# KiCad board rabbit_mask.kicad_pcb
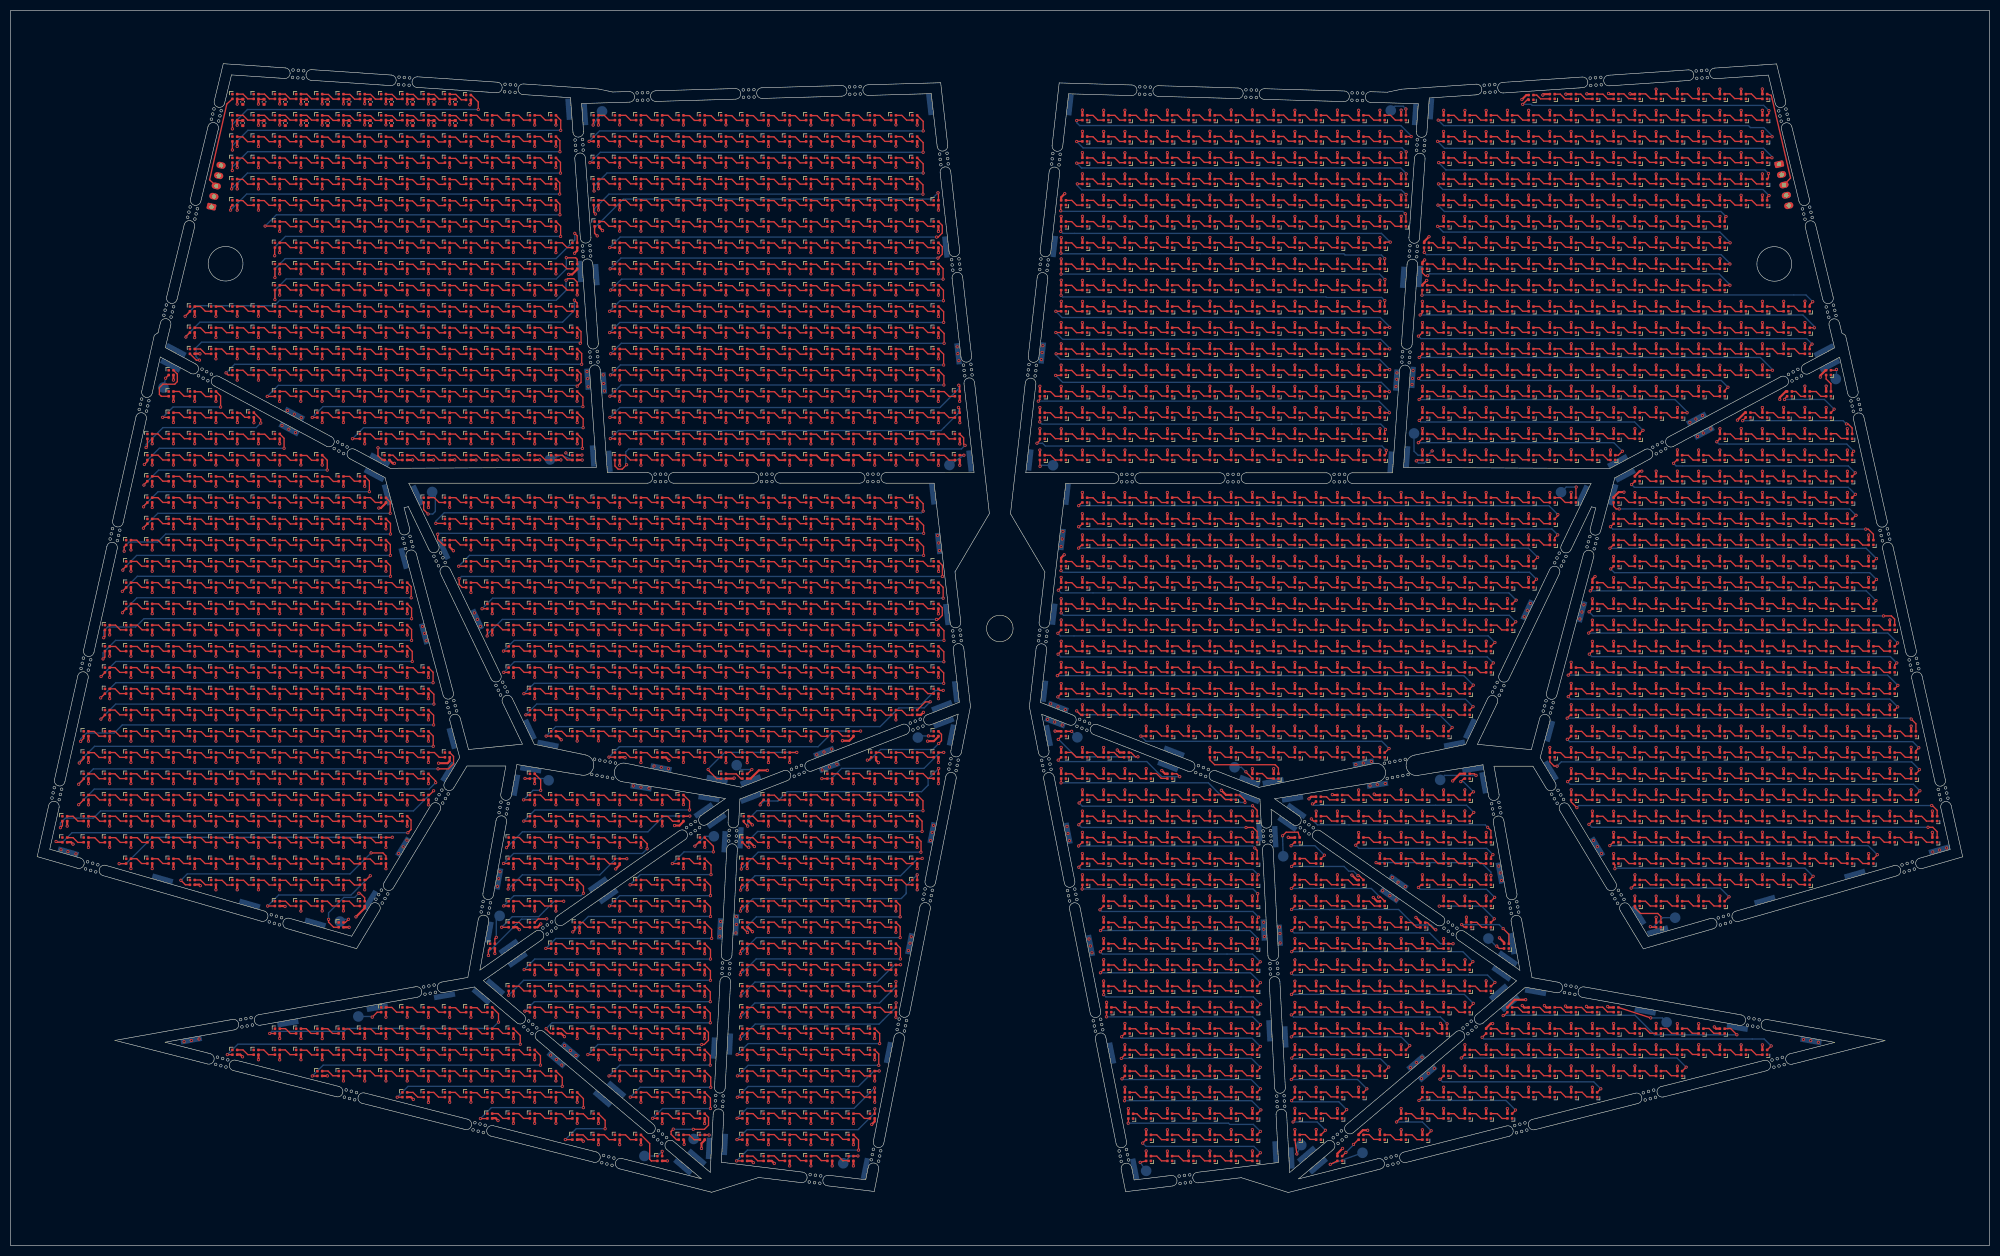
[diagram p0: board, top side]
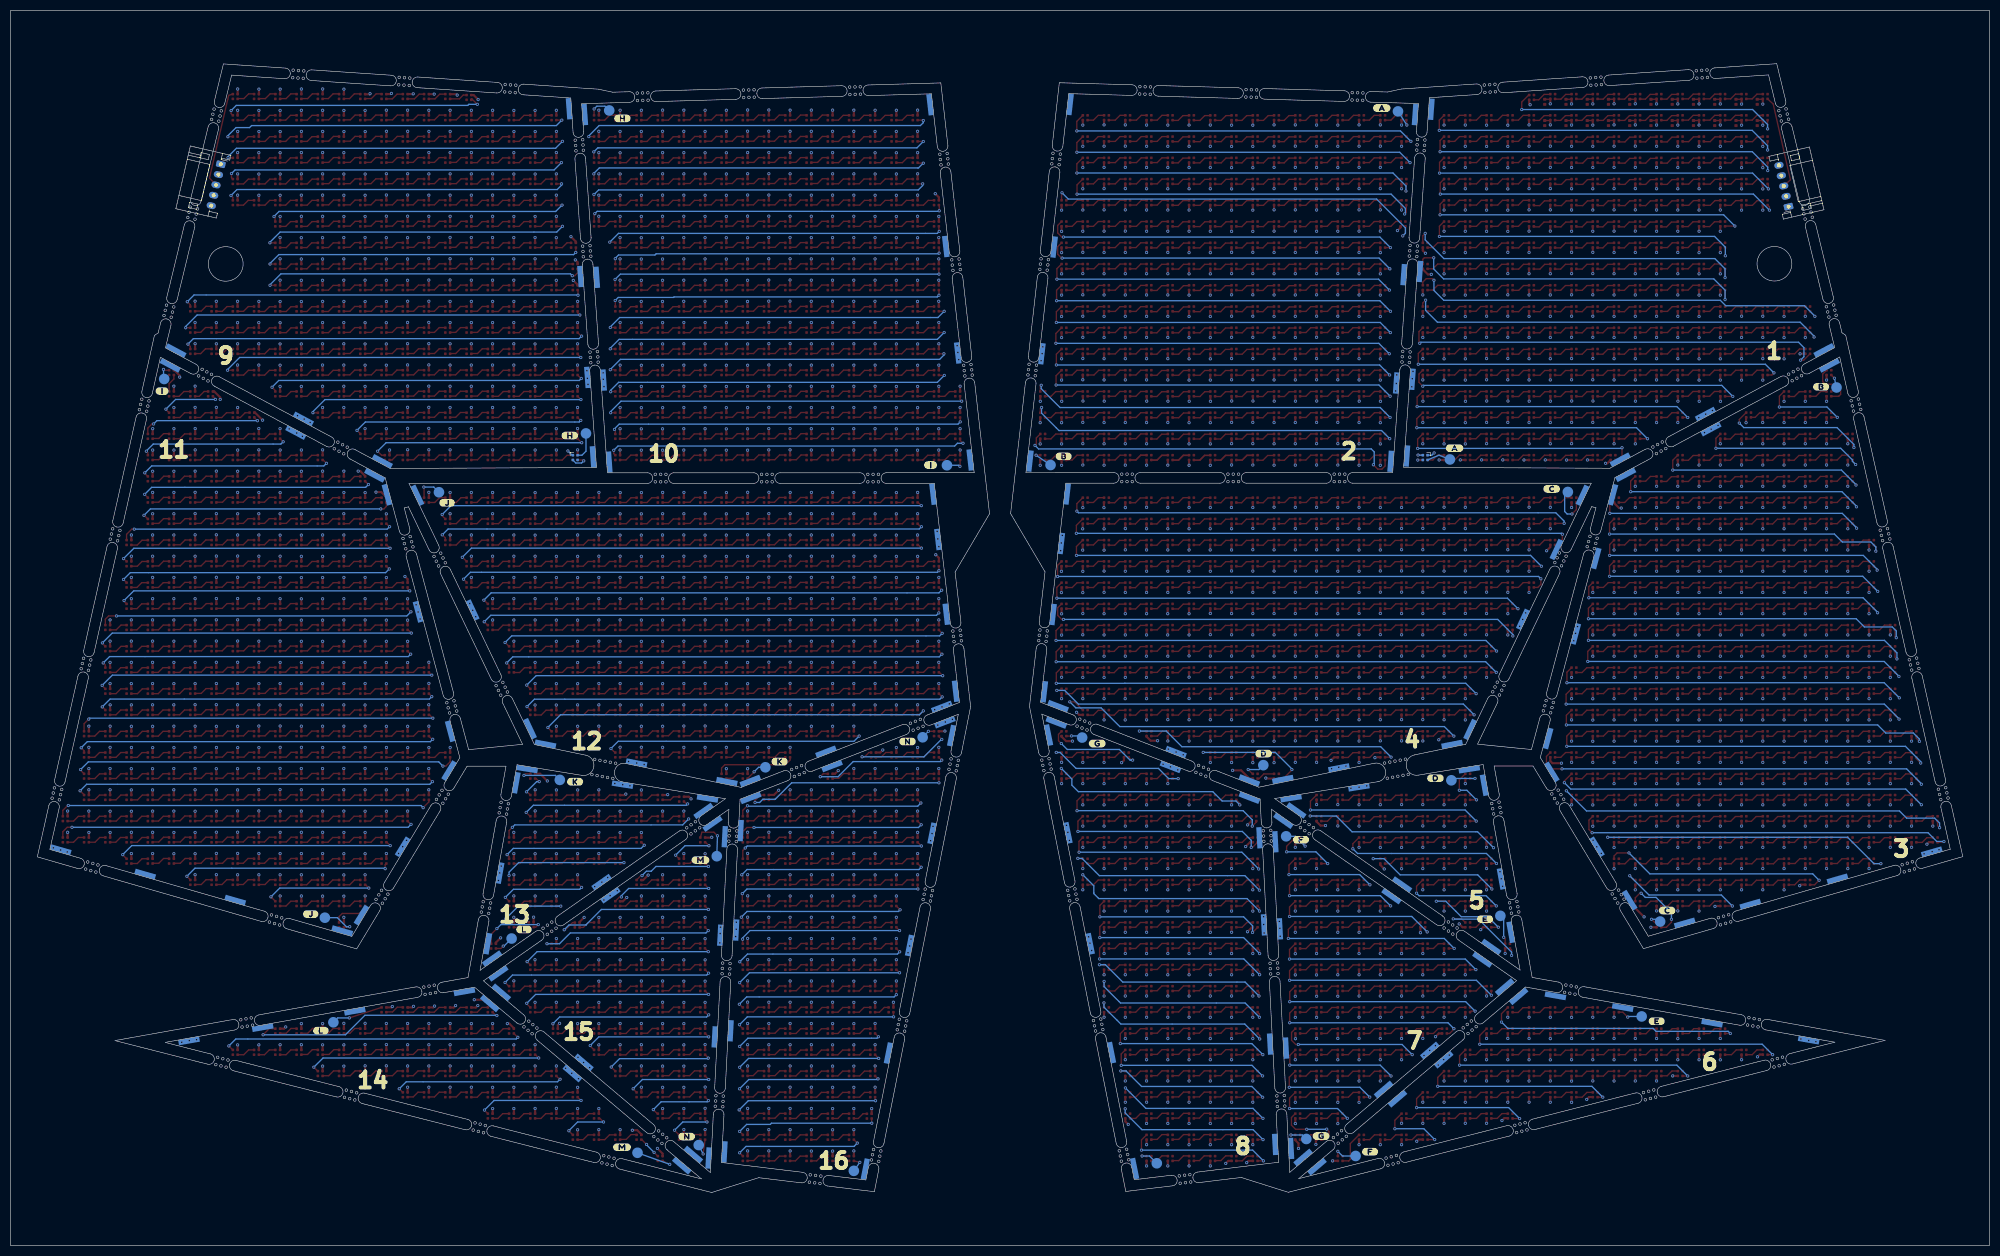
[diagram p1: board, bottom side, seen from below]

Outline 372.48 x 232.54 mm; copper layers: Top, Bottom. Coordinates in mm from the lower left corner of the outline.
Stack: Top 0.035mm / dielectric 1.51mm FR4 er 4.5 / Bottom 0.035mm

## Placement (name value [footprint] x y rotation side)
C1485  0.1uF  [C_0402_1005Metric]  83.7 211.36 270 top
C1485#2  0.1uF  [C_0402_1005Metric]  71.7 211.36 270 top
C1485#3  0.1uF  [C_0402_1005Metric]  59.7 215.36 270 top
C1485#4  0.1uF  [C_0402_1005Metric]  43.7 211.36 270 top
C1485#5  0.1uF  [C_0402_1005Metric]  47.7 211.36 270 top
C1485#6  0.1uF  [C_0402_1005Metric]  79.7 211.36 270 top
C1485#7  0.1uF  [C_0402_1005Metric]  51.7 215.36 270 top
C1485#8  0.1uF  [C_0402_1005Metric]  71.7 215.36 270 top
C1485#9  0.1uF  [C_0402_1005Metric]  67.7 211.36 270 top
C1485#10  0.1uF  [C_0402_1005Metric]  43.7 215.36 270 top
C1485#11  0.1uF  [C_0402_1005Metric]  67.7 215.36 270 top
C1485#12  0.1uF  [C_0402_1005Metric]  75.7 211.36 270 top
C1485#13  0.1uF  [C_0402_1005Metric]  59.7 211.36 270 top
C1485#14  0.1uF  [C_0402_1005Metric]  55.7 211.36 270 top
C1485#15  0.1uF  [C_0402_1005Metric]  63.7 211.36 270 top
C1485#16  0.1uF  [C_0402_1005Metric]  55.7 215.36 270 top
C1485#17  0.1uF  [C_0402_1005Metric]  47.7 215.36 270 top
C1485#18  0.1uF  [C_0402_1005Metric]  83.7 215.36 270 top
C1485#19  0.1uF  [C_0402_1005Metric]  63.7 215.36 270 top
C1485#20  0.1uF  [C_0402_1005Metric]  51.7 211.36 270 top
C1485#21  0.1uF  [C_0402_1005Metric]  79.7 215.36 270 top
C1485#22  0.1uF  [C_0402_1005Metric]  75.7 215.36 270 top
D1  SK6812-1515  [LED_SK6812_EC15_1.5x1.5mm]  42.2 216.36 0 top
D2  SK6812-1515  [LED_SK6812_EC15_1.5x1.5mm]  46.2 216.36 0 top
D3  SK6812-1515  [LED_SK6812_EC15_1.5x1.5mm]  50.2 216.36 0 top
D4  SK6812-1515  [LED_SK6812_EC15_1.5x1.5mm]  54.2 216.36 0 top
D5  SK6812-1515  [LED_SK6812_EC15_1.5x1.5mm]  58.2 216.36 0 top
D6  SK6812-1515  [LED_SK6812_EC15_1.5x1.5mm]  62.2 216.36 0 top
D7  SK6812-1515  [LED_SK6812_EC15_1.5x1.5mm]  66.2 216.36 0 top
D8  SK6812-1515  [LED_SK6812_EC15_1.5x1.5mm]  70.2 216.36 0 top
D9  SK6812-1515  [LED_SK6812_EC15_1.5x1.5mm]  74.2 216.36 0 top
D10  SK6812-1515  [LED_SK6812_EC15_1.5x1.5mm]  78.2 216.36 0 top
D11  SK6812-1515  [LED_SK6812_EC15_1.5x1.5mm]  82.2 216.36 0 top
D12  SK6812-1515  [LED_SK6812_EC15_1.5x1.5mm]  86.17 216.19 0 top
D13  SK6812-1515  [LED_SK6812_EC15_1.5x1.5mm]  42.2 212.36 0 top
D14  SK6812-1515  [LED_SK6812_EC15_1.5x1.5mm]  46.2 212.36 0 top
D15  SK6812-1515  [LED_SK6812_EC15_1.5x1.5mm]  50.2 212.36 0 top
D16  SK6812-1515  [LED_SK6812_EC15_1.5x1.5mm]  54.2 212.36 0 top
D17  SK6812-1515  [LED_SK6812_EC15_1.5x1.5mm]  58.2 212.36 0 top
D18  SK6812-1515  [LED_SK6812_EC15_1.5x1.5mm]  62.2 212.36 0 top
D19  SK6812-1515  [LED_SK6812_EC15_1.5x1.5mm]  66.2 212.36 0 top
D20  SK6812-1515  [LED_SK6812_EC15_1.5x1.5mm]  70.2 212.36 0 top
D21  SK6812-1515  [LED_SK6812_EC15_1.5x1.5mm]  74.2 212.36 0 top
D22  SK6812-1515  [LED_SK6812_EC15_1.5x1.5mm]  78.2 212.36 0 top
D23  SK6812-1515  [LED_SK6812_EC15_1.5x1.5mm]  82.2 212.36 0 top
D24  SK6812-1515  [LED_SK6812_EC15_1.5x1.5mm]  86.2 212.36 0 top
D25  SK6812-1515  [LED_SK6812_EC15_1.5x1.5mm]  90.2 212.36 0 top
D26  SK6812-1515  [LED_SK6812_EC15_1.5x1.5mm]  94.2 212.36 0 top
D27  SK6812-1515  [LED_SK6812_EC15_1.5x1.5mm]  98.2 212.36 0 top
D28  SK6812-1515  [LED_SK6812_EC15_1.5x1.5mm]  102.2 212.36 0 top
D29  SK6812-1515  [LED_SK6812_EC15_1.5x1.5mm]  110.2 212.36 0 top
D30  SK6812-1515  [LED_SK6812_EC15_1.5x1.5mm]  114.2 212.36 0 top
D31  SK6812-1515  [LED_SK6812_EC15_1.5x1.5mm]  118.2 212.36 0 top
D32  SK6812-1515  [LED_SK6812_EC15_1.5x1.5mm]  122.2 212.36 0 top
D33  SK6812-1515  [LED_SK6812_EC15_1.5x1.5mm]  126.2 212.36 0 top
D34  SK6812-1515  [LED_SK6812_EC15_1.5x1.5mm]  130.2 212.36 0 top
D35  SK6812-1515  [LED_SK6812_EC15_1.5x1.5mm]  134.2 212.36 0 top
D36  SK6812-1515  [LED_SK6812_EC15_1.5x1.5mm]  138.2 212.36 0 top
D37  SK6812-1515  [LED_SK6812_EC15_1.5x1.5mm]  142.2 212.36 0 top
D38  SK6812-1515  [LED_SK6812_EC15_1.5x1.5mm]  146.2 212.36 0 top
D39  SK6812-1515  [LED_SK6812_EC15_1.5x1.5mm]  150.2 212.36 0 top
D40  SK6812-1515  [LED_SK6812_EC15_1.5x1.5mm]  154.2 212.36 0 top
D41  SK6812-1515  [LED_SK6812_EC15_1.5x1.5mm]  158.2 212.36 0 top
D42  SK6812-1515  [LED_SK6812_EC15_1.5x1.5mm]  162.2 212.36 0 top
D43  SK6812-1515  [LED_SK6812_EC15_1.5x1.5mm]  166.2 212.36 0 top
D44  SK6812-1515  [LED_SK6812_EC15_1.5x1.5mm]  170.2 212.36 0 top
D45  SK6812-1515  [LED_SK6812_EC15_1.5x1.5mm]  42.2 208.36 0 top
D46  SK6812-1515  [LED_SK6812_EC15_1.5x1.5mm]  46.2 208.36 0 top
D47  SK6812-1515  [LED_SK6812_EC15_1.5x1.5mm]  50.2 208.36 0 top
D48  SK6812-1515  [LED_SK6812_EC15_1.5x1.5mm]  54.2 208.36 0 top
D49  SK6812-1515  [LED_SK6812_EC15_1.5x1.5mm]  58.2 208.36 0 top
D50  SK6812-1515  [LED_SK6812_EC15_1.5x1.5mm]  62.2 208.36 0 top
D51  SK6812-1515  [LED_SK6812_EC15_1.5x1.5mm]  66.2 208.36 0 top
D52  SK6812-1515  [LED_SK6812_EC15_1.5x1.5mm]  70.2 208.36 0 top
D53  SK6812-1515  [LED_SK6812_EC15_1.5x1.5mm]  74.2 208.36 0 top
D54  SK6812-1515  [LED_SK6812_EC15_1.5x1.5mm]  78.2 208.36 0 top
D55  SK6812-1515  [LED_SK6812_EC15_1.5x1.5mm]  82.2 208.36 0 top
D56  SK6812-1515  [LED_SK6812_EC15_1.5x1.5mm]  86.2 208.36 0 top
D57  SK6812-1515  [LED_SK6812_EC15_1.5x1.5mm]  90.2 208.36 0 top
D58  SK6812-1515  [LED_SK6812_EC15_1.5x1.5mm]  94.2 208.36 0 top
D59  SK6812-1515  [LED_SK6812_EC15_1.5x1.5mm]  98.2 208.36 0 top
D60  SK6812-1515  [LED_SK6812_EC15_1.5x1.5mm]  102.2 208.36 0 top
D61  SK6812-1515  [LED_SK6812_EC15_1.5x1.5mm]  110.2 208.36 0 top
D62  SK6812-1515  [LED_SK6812_EC15_1.5x1.5mm]  114.2 208.36 0 top
D63  SK6812-1515  [LED_SK6812_EC15_1.5x1.5mm]  118.2 208.36 0 top
D64  SK6812-1515  [LED_SK6812_EC15_1.5x1.5mm]  122.2 208.36 0 top
D65  SK6812-1515  [LED_SK6812_EC15_1.5x1.5mm]  126.2 208.36 0 top
D66  SK6812-1515  [LED_SK6812_EC15_1.5x1.5mm]  130.2 208.36 0 top
D67  SK6812-1515  [LED_SK6812_EC15_1.5x1.5mm]  134.2 208.36 0 top
D68  SK6812-1515  [LED_SK6812_EC15_1.5x1.5mm]  138.2 208.36 0 top
D69  SK6812-1515  [LED_SK6812_EC15_1.5x1.5mm]  142.2 208.36 0 top
D70  SK6812-1515  [LED_SK6812_EC15_1.5x1.5mm]  146.2 208.36 0 top
D71  SK6812-1515  [LED_SK6812_EC15_1.5x1.5mm]  150.2 208.36 0 top
D72  SK6812-1515  [LED_SK6812_EC15_1.5x1.5mm]  154.2 208.36 0 top
D73  SK6812-1515  [LED_SK6812_EC15_1.5x1.5mm]  158.2 208.36 0 top
D74  SK6812-1515  [LED_SK6812_EC15_1.5x1.5mm]  162.2 208.36 0 top
D75  SK6812-1515  [LED_SK6812_EC15_1.5x1.5mm]  166.2 208.36 0 top
D76  SK6812-1515  [LED_SK6812_EC15_1.5x1.5mm]  170.2 208.36 0 top
D77  SK6812-1515  [LED_SK6812_EC15_1.5x1.5mm]  42.2 204.36 0 top
D78  SK6812-1515  [LED_SK6812_EC15_1.5x1.5mm]  46.2 204.36 0 top
D79  SK6812-1515  [LED_SK6812_EC15_1.5x1.5mm]  50.2 204.36 0 top
D80  SK6812-1515  [LED_SK6812_EC15_1.5x1.5mm]  54.2 204.36 0 top
D81  SK6812-1515  [LED_SK6812_EC15_1.5x1.5mm]  58.2 204.36 0 top
D82  SK6812-1515  [LED_SK6812_EC15_1.5x1.5mm]  62.2 204.36 0 top
D83  SK6812-1515  [LED_SK6812_EC15_1.5x1.5mm]  66.2 204.36 0 top
D84  SK6812-1515  [LED_SK6812_EC15_1.5x1.5mm]  70.2 204.36 0 top
D85  SK6812-1515  [LED_SK6812_EC15_1.5x1.5mm]  74.2 204.36 0 top
D86  SK6812-1515  [LED_SK6812_EC15_1.5x1.5mm]  78.2 204.36 0 top
D87  SK6812-1515  [LED_SK6812_EC15_1.5x1.5mm]  82.2 204.36 0 top
D88  SK6812-1515  [LED_SK6812_EC15_1.5x1.5mm]  86.2 204.36 0 top
D89  SK6812-1515  [LED_SK6812_EC15_1.5x1.5mm]  90.2 204.36 0 top
D90  SK6812-1515  [LED_SK6812_EC15_1.5x1.5mm]  94.2 204.36 0 top
D91  SK6812-1515  [LED_SK6812_EC15_1.5x1.5mm]  98.2 204.36 0 top
D92  SK6812-1515  [LED_SK6812_EC15_1.5x1.5mm]  102.2 204.36 0 top
D93  SK6812-1515  [LED_SK6812_EC15_1.5x1.5mm]  110.2 204.36 0 top
D94  SK6812-1515  [LED_SK6812_EC15_1.5x1.5mm]  114.2 204.36 0 top
D95  SK6812-1515  [LED_SK6812_EC15_1.5x1.5mm]  118.2 204.36 0 top
D96  SK6812-1515  [LED_SK6812_EC15_1.5x1.5mm]  122.2 204.36 0 top
D97  SK6812-1515  [LED_SK6812_EC15_1.5x1.5mm]  126.2 204.36 0 top
D98  SK6812-1515  [LED_SK6812_EC15_1.5x1.5mm]  130.2 204.36 0 top
D99  SK6812-1515  [LED_SK6812_EC15_1.5x1.5mm]  134.2 204.36 0 top
D100  SK6812-1515  [LED_SK6812_EC15_1.5x1.5mm]  138.2 204.36 0 top
D101  SK6812-1515  [LED_SK6812_EC15_1.5x1.5mm]  142.2 204.36 0 top
D102  SK6812-1515  [LED_SK6812_EC15_1.5x1.5mm]  146.2 204.36 0 top
D103  SK6812-1515  [LED_SK6812_EC15_1.5x1.5mm]  150.2 204.36 0 top
D104  SK6812-1515  [LED_SK6812_EC15_1.5x1.5mm]  154.2 204.36 0 top
D105  SK6812-1515  [LED_SK6812_EC15_1.5x1.5mm]  158.2 204.36 0 top
D106  SK6812-1515  [LED_SK6812_EC15_1.5x1.5mm]  162.2 204.36 0 top
D107  SK6812-1515  [LED_SK6812_EC15_1.5x1.5mm]  166.2 204.36 0 top
D108  SK6812-1515  [LED_SK6812_EC15_1.5x1.5mm]  170.2 204.36 0 top
D110  SK6812-1515  [LED_SK6812_EC15_1.5x1.5mm]  42.2 200.36 0 top
D111  SK6812-1515  [LED_SK6812_EC15_1.5x1.5mm]  46.2 200.36 0 top
D112  SK6812-1515  [LED_SK6812_EC15_1.5x1.5mm]  50.2 200.36 0 top
D113  SK6812-1515  [LED_SK6812_EC15_1.5x1.5mm]  54.2 200.36 0 top
D114  SK6812-1515  [LED_SK6812_EC15_1.5x1.5mm]  58.2 200.36 0 top
D115  SK6812-1515  [LED_SK6812_EC15_1.5x1.5mm]  62.2 200.36 0 top
D116  SK6812-1515  [LED_SK6812_EC15_1.5x1.5mm]  66.2 200.36 0 top
D117  SK6812-1515  [LED_SK6812_EC15_1.5x1.5mm]  70.2 200.36 0 top
D118  SK6812-1515  [LED_SK6812_EC15_1.5x1.5mm]  74.2 200.36 0 top
D119  SK6812-1515  [LED_SK6812_EC15_1.5x1.5mm]  78.2 200.36 0 top
D120  SK6812-1515  [LED_SK6812_EC15_1.5x1.5mm]  82.2 200.36 0 top
D121  SK6812-1515  [LED_SK6812_EC15_1.5x1.5mm]  86.2 200.36 0 top
D122  SK6812-1515  [LED_SK6812_EC15_1.5x1.5mm]  90.2 200.36 0 top
D123  SK6812-1515  [LED_SK6812_EC15_1.5x1.5mm]  94.2 200.36 0 top
D124  SK6812-1515  [LED_SK6812_EC15_1.5x1.5mm]  98.2 200.36 0 top
D125  SK6812-1515  [LED_SK6812_EC15_1.5x1.5mm]  102.2 200.36 0 top
D126  SK6812-1515  [LED_SK6812_EC15_1.5x1.5mm]  110.2 200.36 0 top
D127  SK6812-1515  [LED_SK6812_EC15_1.5x1.5mm]  114.2 200.36 0 top
D128  SK6812-1515  [LED_SK6812_EC15_1.5x1.5mm]  118.2 200.36 0 top
D129  SK6812-1515  [LED_SK6812_EC15_1.5x1.5mm]  122.2 200.36 0 top
D130  SK6812-1515  [LED_SK6812_EC15_1.5x1.5mm]  126.2 200.36 0 top
D131  SK6812-1515  [LED_SK6812_EC15_1.5x1.5mm]  130.2 200.36 0 top
D132  SK6812-1515  [LED_SK6812_EC15_1.5x1.5mm]  134.2 200.36 0 top
D133  SK6812-1515  [LED_SK6812_EC15_1.5x1.5mm]  138.2 200.36 0 top
D134  SK6812-1515  [LED_SK6812_EC15_1.5x1.5mm]  142.2 200.36 0 top
D135  SK6812-1515  [LED_SK6812_EC15_1.5x1.5mm]  146.2 200.36 0 top
D136  SK6812-1515  [LED_SK6812_EC15_1.5x1.5mm]  150.2 200.36 0 top
D137  SK6812-1515  [LED_SK6812_EC15_1.5x1.5mm]  154.2 200.36 0 top
D138  SK6812-1515  [LED_SK6812_EC15_1.5x1.5mm]  158.2 200.36 0 top
D139  SK6812-1515  [LED_SK6812_EC15_1.5x1.5mm]  162.2 200.36 0 top
D140  SK6812-1515  [LED_SK6812_EC15_1.5x1.5mm]  166.2 200.36 0 top
D141  SK6812-1515  [LED_SK6812_EC15_1.5x1.5mm]  170.2 200.36 0 top
D143  SK6812-1515  [LED_SK6812_EC15_1.5x1.5mm]  42.2 196.36 0 top
D144  SK6812-1515  [LED_SK6812_EC15_1.5x1.5mm]  46.2 196.36 0 top
D145  SK6812-1515  [LED_SK6812_EC15_1.5x1.5mm]  50.2 196.36 0 top
D146  SK6812-1515  [LED_SK6812_EC15_1.5x1.5mm]  54.2 196.36 0 top
D147  SK6812-1515  [LED_SK6812_EC15_1.5x1.5mm]  58.2 196.36 0 top
D148  SK6812-1515  [LED_SK6812_EC15_1.5x1.5mm]  62.2 196.36 0 top
D149  SK6812-1515  [LED_SK6812_EC15_1.5x1.5mm]  66.2 196.36 0 top
D150  SK6812-1515  [LED_SK6812_EC15_1.5x1.5mm]  70.2 196.36 0 top
D151  SK6812-1515  [LED_SK6812_EC15_1.5x1.5mm]  74.2 196.36 0 top
D152  SK6812-1515  [LED_SK6812_EC15_1.5x1.5mm]  78.2 196.36 0 top
D153  SK6812-1515  [LED_SK6812_EC15_1.5x1.5mm]  82.2 196.36 0 top
D154  SK6812-1515  [LED_SK6812_EC15_1.5x1.5mm]  86.2 196.36 0 top
D155  SK6812-1515  [LED_SK6812_EC15_1.5x1.5mm]  90.2 196.36 0 top
D156  SK6812-1515  [LED_SK6812_EC15_1.5x1.5mm]  94.2 196.36 0 top
D157  SK6812-1515  [LED_SK6812_EC15_1.5x1.5mm]  98.2 196.36 0 top
D158  SK6812-1515  [LED_SK6812_EC15_1.5x1.5mm]  102.2 196.36 0 top
D159  SK6812-1515  [LED_SK6812_EC15_1.5x1.5mm]  110.2 196.36 0 top
D160  SK6812-1515  [LED_SK6812_EC15_1.5x1.5mm]  114.2 196.36 0 top
D161  SK6812-1515  [LED_SK6812_EC15_1.5x1.5mm]  118.2 196.36 0 top
D162  SK6812-1515  [LED_SK6812_EC15_1.5x1.5mm]  122.2 196.36 0 top
D163  SK6812-1515  [LED_SK6812_EC15_1.5x1.5mm]  126.2 196.36 0 top
D164  SK6812-1515  [LED_SK6812_EC15_1.5x1.5mm]  130.2 196.36 0 top
D165  SK6812-1515  [LED_SK6812_EC15_1.5x1.5mm]  134.2 196.36 0 top
D166  SK6812-1515  [LED_SK6812_EC15_1.5x1.5mm]  138.2 196.36 0 top
D167  SK6812-1515  [LED_SK6812_EC15_1.5x1.5mm]  142.2 196.36 0 top
D168  SK6812-1515  [LED_SK6812_EC15_1.5x1.5mm]  146.2 196.36 0 top
D169  SK6812-1515  [LED_SK6812_EC15_1.5x1.5mm]  150.2 196.36 0 top
D170  SK6812-1515  [LED_SK6812_EC15_1.5x1.5mm]  154.2 196.36 0 top
D171  SK6812-1515  [LED_SK6812_EC15_1.5x1.5mm]  158.2 196.36 0 top
D172  SK6812-1515  [LED_SK6812_EC15_1.5x1.5mm]  162.2 196.36 0 top
D173  SK6812-1515  [LED_SK6812_EC15_1.5x1.5mm]  166.2 196.36 0 top
D174  SK6812-1515  [LED_SK6812_EC15_1.5x1.5mm]  170.2 196.36 0 top
D175  SK6812-1515  [LED_SK6812_EC15_1.5x1.5mm]  174.2 196.36 0 top
D179  SK6812-1515  [LED_SK6812_EC15_1.5x1.5mm]  50.2 192.36 0 top
D180  SK6812-1515  [LED_SK6812_EC15_1.5x1.5mm]  54.2 192.36 0 top
D181  SK6812-1515  [LED_SK6812_EC15_1.5x1.5mm]  58.2 192.36 0 top
D182  SK6812-1515  [LED_SK6812_EC15_1.5x1.5mm]  62.2 192.36 0 top
D183  SK6812-1515  [LED_SK6812_EC15_1.5x1.5mm]  66.2 192.36 0 top
D184  SK6812-1515  [LED_SK6812_EC15_1.5x1.5mm]  70.2 192.36 0 top
D185  SK6812-1515  [LED_SK6812_EC15_1.5x1.5mm]  74.2 192.36 0 top
D186  SK6812-1515  [LED_SK6812_EC15_1.5x1.5mm]  78.2 192.36 0 top
D187  SK6812-1515  [LED_SK6812_EC15_1.5x1.5mm]  82.2 192.36 0 top
D188  SK6812-1515  [LED_SK6812_EC15_1.5x1.5mm]  86.2 192.36 0 top
D189  SK6812-1515  [LED_SK6812_EC15_1.5x1.5mm]  90.2 192.36 0 top
D190  SK6812-1515  [LED_SK6812_EC15_1.5x1.5mm]  94.2 192.36 0 top
D191  SK6812-1515  [LED_SK6812_EC15_1.5x1.5mm]  98.2 192.36 0 top
D192  SK6812-1515  [LED_SK6812_EC15_1.5x1.5mm]  102.2 192.36 0 top
D193  SK6812-1515  [LED_SK6812_EC15_1.5x1.5mm]  110.38 192.36 0 top
D194  SK6812-1515  [LED_SK6812_EC15_1.5x1.5mm]  114.2 192.36 0 top
D195  SK6812-1515  [LED_SK6812_EC15_1.5x1.5mm]  118.2 192.36 0 top
D196  SK6812-1515  [LED_SK6812_EC15_1.5x1.5mm]  122.2 192.36 0 top
D197  SK6812-1515  [LED_SK6812_EC15_1.5x1.5mm]  126.2 192.36 0 top
D198  SK6812-1515  [LED_SK6812_EC15_1.5x1.5mm]  130.2 192.36 0 top
D199  SK6812-1515  [LED_SK6812_EC15_1.5x1.5mm]  134.2 192.36 0 top
D200  SK6812-1515  [LED_SK6812_EC15_1.5x1.5mm]  138.2 192.36 0 top
D201  SK6812-1515  [LED_SK6812_EC15_1.5x1.5mm]  142.2 192.36 0 top
D202  SK6812-1515  [LED_SK6812_EC15_1.5x1.5mm]  146.2 192.36 0 top
D203  SK6812-1515  [LED_SK6812_EC15_1.5x1.5mm]  150.2 192.36 0 top
D204  SK6812-1515  [LED_SK6812_EC15_1.5x1.5mm]  154.2 192.36 0 top
D205  SK6812-1515  [LED_SK6812_EC15_1.5x1.5mm]  158.2 192.36 0 top
D206  SK6812-1515  [LED_SK6812_EC15_1.5x1.5mm]  162.2 192.36 0 top
D207  SK6812-1515  [LED_SK6812_EC15_1.5x1.5mm]  166.2 192.36 0 top
D208  SK6812-1515  [LED_SK6812_EC15_1.5x1.5mm]  170.2 192.36 0 top
D209  SK6812-1515  [LED_SK6812_EC15_1.5x1.5mm]  174.2 192.36 0 top
D210  SK6812-1515  [LED_SK6812_EC15_1.5x1.5mm]  50.2 188.36 0 top
D211  SK6812-1515  [LED_SK6812_EC15_1.5x1.5mm]  54.2 188.36 0 top
D212  SK6812-1515  [LED_SK6812_EC15_1.5x1.5mm]  58.2 188.36 0 top
D213  SK6812-1515  [LED_SK6812_EC15_1.5x1.5mm]  62.2 188.36 0 top
D214  SK6812-1515  [LED_SK6812_EC15_1.5x1.5mm]  66.2 188.36 0 top
D215  SK6812-1515  [LED_SK6812_EC15_1.5x1.5mm]  70.2 188.36 0 top
D216  SK6812-1515  [LED_SK6812_EC15_1.5x1.5mm]  74.2 188.36 0 top
D217  SK6812-1515  [LED_SK6812_EC15_1.5x1.5mm]  78.2 188.36 0 top
D218  SK6812-1515  [LED_SK6812_EC15_1.5x1.5mm]  82.2 188.36 0 top
D219  SK6812-1515  [LED_SK6812_EC15_1.5x1.5mm]  86.2 188.36 0 top
D220  SK6812-1515  [LED_SK6812_EC15_1.5x1.5mm]  90.2 188.36 0 top
D221  SK6812-1515  [LED_SK6812_EC15_1.5x1.5mm]  94.2 188.36 0 top
D222  SK6812-1515  [LED_SK6812_EC15_1.5x1.5mm]  98.2 188.36 0 top
D223  SK6812-1515  [LED_SK6812_EC15_1.5x1.5mm]  102.2 188.36 0 top
D224  SK6812-1515  [LED_SK6812_EC15_1.5x1.5mm]  106.2 188.36 0 top
D225  SK6812-1515  [LED_SK6812_EC15_1.5x1.5mm]  114.2 188.36 0 top
D226  SK6812-1515  [LED_SK6812_EC15_1.5x1.5mm]  118.2 188.36 0 top
D227  SK6812-1515  [LED_SK6812_EC15_1.5x1.5mm]  122.2 188.36 0 top
D228  SK6812-1515  [LED_SK6812_EC15_1.5x1.5mm]  126.2 188.36 0 top
D229  SK6812-1515  [LED_SK6812_EC15_1.5x1.5mm]  130.2 188.36 0 top
D230  SK6812-1515  [LED_SK6812_EC15_1.5x1.5mm]  134.2 188.36 0 top
D231  SK6812-1515  [LED_SK6812_EC15_1.5x1.5mm]  138.2 188.36 0 top
D232  SK6812-1515  [LED_SK6812_EC15_1.5x1.5mm]  142.2 188.36 0 top
D233  SK6812-1515  [LED_SK6812_EC15_1.5x1.5mm]  146.2 188.36 0 top
D234  SK6812-1515  [LED_SK6812_EC15_1.5x1.5mm]  150.2 188.36 0 top
D235  SK6812-1515  [LED_SK6812_EC15_1.5x1.5mm]  154.2 188.36 0 top
D236  SK6812-1515  [LED_SK6812_EC15_1.5x1.5mm]  158.2 188.36 0 top
D237  SK6812-1515  [LED_SK6812_EC15_1.5x1.5mm]  162.2 188.36 0 top
D238  SK6812-1515  [LED_SK6812_EC15_1.5x1.5mm]  166.2 188.36 0 top
D239  SK6812-1515  [LED_SK6812_EC15_1.5x1.5mm]  170.2 188.36 0 top
D240  SK6812-1515  [LED_SK6812_EC15_1.5x1.5mm]  174.2 188.36 0 top
D241  SK6812-1515  [LED_SK6812_EC15_1.5x1.5mm]  50.2 184.36 0 top
D242  SK6812-1515  [LED_SK6812_EC15_1.5x1.5mm]  54.2 184.36 0 top
D243  SK6812-1515  [LED_SK6812_EC15_1.5x1.5mm]  58.2 184.36 0 top
D244  SK6812-1515  [LED_SK6812_EC15_1.5x1.5mm]  62.2 184.36 0 top
D245  SK6812-1515  [LED_SK6812_EC15_1.5x1.5mm]  66.2 184.36 0 top
D246  SK6812-1515  [LED_SK6812_EC15_1.5x1.5mm]  70.2 184.36 0 top
D247  SK6812-1515  [LED_SK6812_EC15_1.5x1.5mm]  74.2 184.36 0 top
D248  SK6812-1515  [LED_SK6812_EC15_1.5x1.5mm]  78.2 184.36 0 top
D249  SK6812-1515  [LED_SK6812_EC15_1.5x1.5mm]  82.2 184.36 0 top
D250  SK6812-1515  [LED_SK6812_EC15_1.5x1.5mm]  86.2 184.36 0 top
D251  SK6812-1515  [LED_SK6812_EC15_1.5x1.5mm]  90.2 184.36 0 top
D252  SK6812-1515  [LED_SK6812_EC15_1.5x1.5mm]  94.2 184.36 0 top
D253  SK6812-1515  [LED_SK6812_EC15_1.5x1.5mm]  98.2 184.36 0 top
D254  SK6812-1515  [LED_SK6812_EC15_1.5x1.5mm]  102.2 184.36 0 top
D255  SK6812-1515  [LED_SK6812_EC15_1.5x1.5mm]  106.2 184.36 0 top
D256  SK6812-1515  [LED_SK6812_EC15_1.5x1.5mm]  114.2 184.36 0 top
D257  SK6812-1515  [LED_SK6812_EC15_1.5x1.5mm]  118.2 184.36 0 top
D258  SK6812-1515  [LED_SK6812_EC15_1.5x1.5mm]  122.2 184.36 0 top
D259  SK6812-1515  [LED_SK6812_EC15_1.5x1.5mm]  126.2 184.36 0 top
D260  SK6812-1515  [LED_SK6812_EC15_1.5x1.5mm]  130.2 184.36 0 top
D261  SK6812-1515  [LED_SK6812_EC15_1.5x1.5mm]  134.2 184.36 0 top
D262  SK6812-1515  [LED_SK6812_EC15_1.5x1.5mm]  138.2 184.36 0 top
D263  SK6812-1515  [LED_SK6812_EC15_1.5x1.5mm]  142.2 184.36 0 top
D264  SK6812-1515  [LED_SK6812_EC15_1.5x1.5mm]  146.2 184.36 0 top
D265  SK6812-1515  [LED_SK6812_EC15_1.5x1.5mm]  150.2 184.36 0 top
D266  SK6812-1515  [LED_SK6812_EC15_1.5x1.5mm]  154.2 184.36 0 top
D267  SK6812-1515  [LED_SK6812_EC15_1.5x1.5mm]  158.2 184.36 0 top
D268  SK6812-1515  [LED_SK6812_EC15_1.5x1.5mm]  162.2 184.36 0 top
D269  SK6812-1515  [LED_SK6812_EC15_1.5x1.5mm]  166.2 184.36 0 top
D270  SK6812-1515  [LED_SK6812_EC15_1.5x1.5mm]  170.2 184.36 0 top
D271  SK6812-1515  [LED_SK6812_EC15_1.5x1.5mm]  174.2 184.36 0 top
D272  SK6812-1515  [LED_SK6812_EC15_1.5x1.5mm]  50.2 180.36 0 top
D273  SK6812-1515  [LED_SK6812_EC15_1.5x1.5mm]  54.2 180.36 0 top
D274  SK6812-1515  [LED_SK6812_EC15_1.5x1.5mm]  58.2 180.36 0 top
D275  SK6812-1515  [LED_SK6812_EC15_1.5x1.5mm]  62.2 180.36 0 top
D276  SK6812-1515  [LED_SK6812_EC15_1.5x1.5mm]  66.2 180.36 0 top
D277  SK6812-1515  [LED_SK6812_EC15_1.5x1.5mm]  70.2 180.36 0 top
D278  SK6812-1515  [LED_SK6812_EC15_1.5x1.5mm]  74.2 180.36 0 top
D279  SK6812-1515  [LED_SK6812_EC15_1.5x1.5mm]  78.2 180.36 0 top
D280  SK6812-1515  [LED_SK6812_EC15_1.5x1.5mm]  82.2 180.36 0 top
D281  SK6812-1515  [LED_SK6812_EC15_1.5x1.5mm]  86.2 180.36 0 top
D282  SK6812-1515  [LED_SK6812_EC15_1.5x1.5mm]  90.2 180.36 0 top
D283  SK6812-1515  [LED_SK6812_EC15_1.5x1.5mm]  94.2 180.36 0 top
D284  SK6812-1515  [LED_SK6812_EC15_1.5x1.5mm]  98.2 180.36 0 top
D285  SK6812-1515  [LED_SK6812_EC15_1.5x1.5mm]  102.2 180.36 0 top
D286  SK6812-1515  [LED_SK6812_EC15_1.5x1.5mm]  106.2 180.36 0 top
D287  SK6812-1515  [LED_SK6812_EC15_1.5x1.5mm]  114.2 180.36 0 top
D288  SK6812-1515  [LED_SK6812_EC15_1.5x1.5mm]  118.2 180.36 0 top
D289  SK6812-1515  [LED_SK6812_EC15_1.5x1.5mm]  122.2 180.36 0 top